# KiCad board PCB.kicad_pcb (continued)
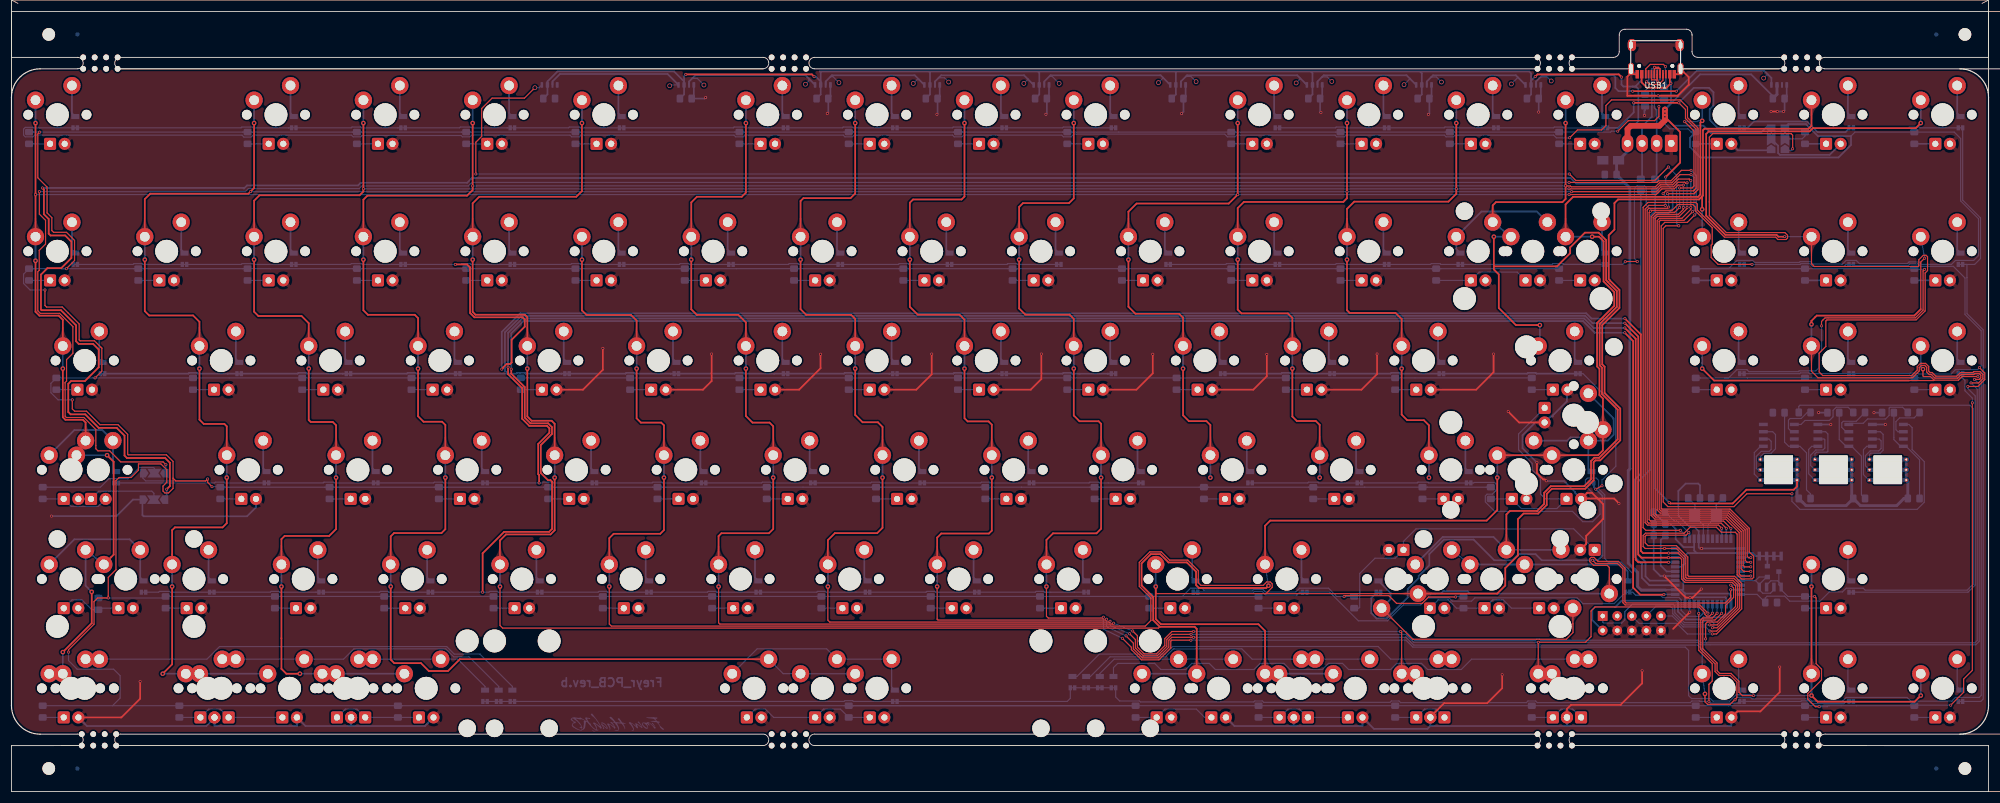
[diagram p0: board, top side]
## Routing (per net, layer and track width the routed paths; a pad name or vN(x,y) marks a point on that pad's centre or on a via; arc(x,y) is an arc through that point) (continued)
Net-(D180-Pad1): length 3.7
  Bottom w0.2: D180.1 R67.1
Net-(D181-Pad1): length 3.7
  Bottom w0.2: D181.1 R68.1
Net-(D182-Pad1): length 3.7
  Bottom w0.2: D182.1 R69.1
Net-(D183-Pad1): length 3.7
  Bottom w0.2: D183.1 R70.1
Net-(D184-Pad1): length 3.7
  Bottom w0.2: D184.1 R71.1
Net-(D185-Pad1): length 9.8
  Bottom w0.2: R72.1 D185.1 246.3,14.37 248.33,14.37 D186.2
Net-(D187-Pad1): length 3.7
  Bottom w0.3: D187.1 R73.1
Net-(D188-Pad1): length 3.7
  Bottom w0.3: R74.1 D188.1
Net-(D189-Pad1): length 3.7
  Bottom w0.2: R75.1 D189.1
Net-(D190-Pad1): length 3.7
  Bottom w0.2: D190.1 R76.1
Net-(D191-Pad1): length 3.7
  Bottom w0.2: D191.1 R77.1
Net-(D192-Pad1): length 3.7
  Bottom w0.2: R78.1 D192.1
Net-(D193-Pad1): length 3.7
  Bottom w0.2: D193.1 R79.1
Net-(D194-Pad1): length 9.8
  Bottom w0.2: D195.2 272.14,14.37 270.12,14.37 D194.1 R80.1
Net-(D196-Pad1): length 3.7
  Bottom w0.3: R81.1 D196.1
Net-(D197-Pad1): length 3.7
  Bottom w0.2: D197.1 R82.1
Net-(D198-Pad1): length 3.7
  Bottom w0.2: D198.1 R83.1
Net-(D199-Pad1): length 3.7
  Bottom w0.2: D199.1 R84.1
Net-(D200-Pad1): length 3.7
  Bottom w0.2: D200.1 R85.1
Net-(D201-Pad1): length 3.7
  Bottom w0.2: D201.1 R86.1
Net-(D202-Pad1): length 3.7
  Bottom w0.2: D202.1 R87.1
Net-(D203-Pad1): length 3.7
  Bottom w0.2: D203.1 R88.1
Net-(D204-Pad1): length 3.7
  Bottom w0.2: D204.1 R89.1
Net-(D205-Pad1): length 3.7
  Bottom w0.2: D205.1 R90.1
Net-(D206-Pad1): length 3.7
  Bottom w0.2: D206.1 R91.1
Net-(D207-Pad1): length 3.7
  Bottom w0.2: R92.1 D207.1
Net-(D208-Pad1): length 3.7
  Bottom w0.2: D208.1 R93.1
Net-(D209-Pad1): length 3.7
  Bottom w0.2: D209.1 R94.1
Net-(D210-Pad1): length 3.7
  Bottom w0.2: D210.1 R95.1
Net-(D211-Pad1): length 3.7
  Bottom w0.2: D211.1 R96.1
Net-(D212-Pad1): length 3.7
  Bottom w0.2: D212.1 R97.1
Net-(D213-Pad1): length 3.7
  Bottom w0.2: D213.1 R98.1
Net-(D222-Pad1): length 25.5
  Bottom w0.2: D223.3 114.87,123.21 v3(114.73,123.06)
  Bottom w0.3: D223.3 114.36,125.11 95.6,125.11 94.3,123.81 D222.1
Net-(D223-Pad1): length 27.4
  Bottom w0.2: v3(138.39,123.32) 139,123.94 139,124.28 ; 118.65,124.35 119.54,124.35 v3(120.7,123.19)
  Bottom w0.3: D224.3 138.39,124.89 119.2,124.89 118.11,123.81 D223.1
Net-(D224-Pad1): length 22.1
  Bottom w0.2: 158.22,124.12 157.84,124.12 v3(157.19,123.46) ; v3(144.23,123.61) 143.19,124.65 142.77,124.65
  Bottom w0.3: D224.1 141.92,123.81 143.01,124.89 157.44,124.89 D225.3
Net-(D225-Pad1): length 22
  Bottom w0.2: v3(163.36,123.71) 162.61,124.46 161.62,124.46 ; 177.17,124.21 177.17,124.17 v3(176.46,123.46)
  Bottom w0.3: D226.3 176.49,124.89 162.06,124.89 160.97,123.81 D225.1
Net-(D226-Pad1): length 27.1
  Bottom w0.2: v3(199.92,123.61) 200.74,124.43 200.74,124.45 ; v3(182.61,123.47) 181.38,124.71 180.93,124.71
  Bottom w0.3: D226.1 180.02,123.81 181.11,124.89 200.3,124.89 D227.3
Net-(D227-Pad1): length 27
  Bottom w0.2: v3(206.49,123.78) 205.58,124.68 204.71,124.68 ; 224.67,124.33 224.67,124.3 v3(223.93,123.55)
  Bottom w0.3: D227.1 203.84,123.81 204.92,124.89 224.11,124.89 D228.3
Net-(D228-Pad1): length 22.5
  Bottom w0.2: v3(230.14,123.81) 229.35,124.6 228.44,124.6 ; v3(242.73,123.25) 243.74,124.26 243.74,124.32
  Bottom w0.3: D229.3 243.16,124.89 228.73,124.89 227.65,123.81 D228.1
Net-(D229-Pad1): length 22.7
  Bottom w0.2: 262.53,124.58 262.53,124.47 v3(261.44,123.37) ; 247.48,124.59 248.37,124.59 v3(249.25,123.71)
  Bottom w0.3: D229.1 246.7,123.81 247.78,124.89 262.21,124.89 D230.3
Net-(D230-Pad1): length 50.7
  Top w0.3: v1(290.19,122.12) 282.59,122.12 v1(282.59,122.12)
  Bottom w0.2: 266.56,124.62 267.66,124.62 v3(268.38,123.89) ; 306.18,125 306.03,125 v3(305.42,124.39)
  Bottom w0.3: v1(282.59,122.12) 280.12,122.12 279.56,122.67 279.56,124.58 279.25,124.89 266.83,124.89 265.75,123.81 D230.1 ; v1(290.19,122.12) 293.74,125.67 305.52,125.67 306.76,124.43 D231.3
Net-(D232-Pad1): length 7.3
  Bottom w0.2: U2.1 304.89,60.19 303.79,59.09 303.79,55.35 D232.1
Net-(D232-Pad2): length 8.9
  Bottom w0.2: U2.2 306.33,61.46 306.73,61.06 306.73,59.65 306.39,59.31 305,59.31 304.14,58.45 304.14,56.37 304.41,56.1 D232.2
Net-(D232-Pad3): length 8.5
  Bottom w0.2: D232.3 304.84,58.36 305.43,58.95 306.68,58.95 307.48,59.76 307.48,62.24 306.99,62.73 U2.3
Net-(D233-Pad1): length 7.6
  Bottom w0.2: D233.1 313.26,55.4 313.26,59.64 313.81,60.19 U3.1
Net-(D233-Pad2): length 8.6
  Bottom w0.2: U3.2 315.94,61.46 316.08,61.33 316.08,59.89 315.75,59.56 314.52,59.56 313.61,58.65 313.61,56.85 D233.2
Net-(D233-Pad3): length 8.4
  Bottom w0.2: D233.3 314.36,58.91 314.63,59.17 316.45,59.17 316.61,59.33 316.61,62.34 316.22,62.73 U3.3
Net-(D234-Pad1): length 7.8
  Bottom w0.2: U4.1 323.39,60.19 322.81,59.62 322.81,55.25 323.76,54.3 D234.1
Net-(D234-Pad2): length 9
  Bottom w0.2: U4.2 325.56,61.46 325.89,61.13 325.89,59.81 325.47,59.39 323.99,59.39 323.16,58.57 323.16,56.8 D234.2
Net-(D234-Pad3): length 8.4
  Bottom w0.2: U4.3 325.78,62.73 326.24,62.28 326.24,59.51 325.74,59.01 324.1,59.01 323.86,58.78 D234.3
Net-(JP2-Pad2): length 21.8
  Bottom w0.2: R10.2 15.51,53.07 16.99,54.55 20.31,54.55 22.26,56.5 24.75,56.5 24.9,56.35 JP2.2
Net-(JP2-Pad3): length 2250.3
  Top w0.2: v1(341.79,67.78) 341.79,21.12 340.27,19.6 340.27,17.31 v1(338.02,15.06) ; v1(9.57,91.16) 10.99,92.59 10.99,96.1 9.59,97.5 7.35,97.5 7.04,97.81 7.04,100.05 6.2,100.89 6.2,105.4 4.59,107.02 4.59,114.64 v1(4.92,114.98) ; 28.16,54.63 28.64,54.16 33.85,54.16 v1(34.19,54.5) 34.19,53.91 v1(34.95,53.16) ; 28.16,54.63 28.16,52.85 27.37,52.06 26.75,52.06 26.41,52.4 26.41,53.25 27.06,53.91 27.06,56.1 26.04,57.13 22.13,57.13 22.13,56.03 20.86,54.75 18.75,54.75 18.21,54.21 18.21,38.68 16.87,37.34 v1(16.87,33.76) 15.01,33.76 14.39,33.13 14.39,29.18 9.94,24.73 v1(9.94,24.31) ; 28.16,54.63 28.16,57.55 27.01,58.71 20.35,58.71 20.25,58.8 20.25,62.27 18.57,63.96 15.44,63.96 13.08,66.31 11,66.31 10.6,66.71 v1(10.6,68.3) ; v1(14.57,72.12) 15.76,73.3 15.76,77.3 ; v1(5.84,87.46) 5.84,84.75 6.11,84.48 8.85,84.48 11.8,81.52 11.8,78.74 11.95,78.59 14.47,78.59 15.58,77.47 ; v1(232.27,33.98) 232.46,34.16 240.08,34.16 241.43,32.81 245.9,32.81 247.01,33.92 v1(251.71,33.92) ; v1(279.98,115.14) 281.82,116.98 286.42,116.98 287.16,117.72 v1(287.16,119.42) ; 15.76,77.3 15.58,77.47 ; 15.76,77.3 15.58,77.47 ; v1(314.3,34.01) 314.56,33.74 314.56,22.29 315.5,21.35 315.5,19.45 313.1,17.05 313.1,16.12 314.43,14.79 v1(315.1,14.79) ; v1(333.46,91.05) 333.2,90.79 333.2,83.94 331.85,82.59 316.12,82.59 315.5,81.97 v1(315.5,81.18)
  Bottom w0.2: 4.77,114.98 40.36,114.98 40.36,114.98 R17.2 41.96,114.98 41.97,114.98 59.41,114.98 59.41,114.98 R27.2 61.01,114.98 61.02,114.98 78.46,114.98 78.46,114.98 R37.2 80.06,114.98 80.07,114.98 97.51,114.98 97.51,114.98 R47.2 99.11,114.98 99.12,114.98 126.08,114.98 126.09,114.98 R67.2 127.69,114.98 127.69,114.98 145.13,114.98 145.14,114.98 R75.2 146.74,114.98 146.74,114.98 164.18,114.98 164.19,114.98 R83.2 165.79,114.98 165.79,114.98 183.23,114.98 183.24,114.98 R91.2 184.84,114.98 184.84,114.98 193.01,114.98 193.01,114.98 R13.2 213.41,114.98 213.42,114.98 230.86,114.98 230.86,114.98 R23.2 232.46,114.98 232.47,114.98 249.91,114.98 249.91,114.98 R33.2 251.51,114.98 251.52,114.98 268.96,114.98 268.96,114.98 R43.2 278.74,114.98 278.9,115.14 v1(279.98,115.14) ; 4.77,114.98 3.87,114.98 3.86,114.98 R7.2 ; 4.77,114.98 v1(4.92,114.98) ; v1(338.02,15.06) 331.76,15.06 R97.2 321.6,14.97 321.59,14.96 318.93,14.96 318.93,14.97 316.9,14.97 ; 232.67,34.02 232.63,33.98 v1(232.27,33.98) ; 232.67,34.02 231.01,34.02 229.57,35.45 224.53,35.45 223.88,34.81 218.57,34.81 218.13,35.24 216.51,35.24 216.37,35.11 207.84,35.11 207.49,35.45 205.52,35.45 204.09,34.02 ; 232.67,34.02 R65.2 ; 298.6,72.11 299.3,72.11 300.74,73.55 302.5,73.55 302.85,73.21 311.46,73.21 311.6,73.35 314.49,73.35 315.03,73.89 315.03,76.38 315.5,76.85 v1(315.5,81.18) ; 298.6,72.11 294.38,72.11 294.37,72.12 R90.2 ; 298.6,72.11 302.54,72.11 302.55,72.12 R82.2 318.93,72.12 318.93,72.11 330.87,72.11 330.87,72.12 R89.2 340.07,72.12 340.5,71.68 340.5,69.89 341.79,68.6 v1(341.79,67.78) ; 14.21,72.12 R9.2 6.87,71.17 6.87,69.54 8.12,68.3 v1(10.6,68.3) ; 14.21,72.12 v1(14.57,72.12) ; 14.21,72.12 R19.2 R29.2 70.26,72.12 R39.2 R49.2 R59.2 R69.2 R77.2 R85.2 R93.2 R15.2 R25.2 R35.2 R45.2 ; 17.61,14.97 18.94,16.3 18.94,20.19 17.81,21.33 11.45,21.33 9.94,22.84 v1(9.94,24.31) ; 17.61,14.97 R12.2 ; 17.61,14.97 R22.2 R32.2 68.16,14.97 68.16,14.96 145.13,14.96 145.14,14.97 R42.2 146.74,14.97 146.74,14.96 ; 9.55,91.16 v1(9.57,91.16) 8.71,91.16 ; 9.55,91.16 21.31,91.16 21.31,91.17 R18.2 22.91,91.17 22.92,91.16 40.36,91.16 40.36,91.17 R28.2 45.12,91.17 45.12,91.16 59.41,91.16 59.41,91.17 R38.2 61.01,91.17 61.02,91.16 78.46,91.16 78.46,91.17 R48.2 80.06,91.17 80.07,91.16 97.51,91.16 97.51,91.17 R58.2 99.11,91.17 99.12,91.16 116.56,91.16 116.56,91.17 R68.2 118.16,91.17 118.17,91.16 126.33,91.16 126.34,91.17 R76.2 136.42,91.16 154.66,91.16 154.66,91.17 R84.2 156.26,91.17 156.27,91.16 173.71,91.16 173.71,91.17 R92.2 175.31,91.17 175.32,91.16 192.76,91.16 192.76,91.17 R14.2 194.36,91.17 194.37,91.16 211.81,91.16 211.81,91.17 R24.2 213.41,91.17 213.42,91.16 230.86,91.16 230.86,91.17 R34.2 232.46,91.17 232.47,91.16 247.52,91.16 247.53,91.17 R44.2 249.13,91.17 249.14,91.16 268.96,91.16 268.96,91.17 R54.2 ; 9.55,91.16 8.71,91.16 ; 8.71,91.16 3.87,91.16 3.86,91.17 R8.2 2.11,90.22 2.11,88.59 3.24,87.46 v1(5.84,87.46) ; 204.09,34.02 R66.2 ; 204.09,34.02 204.19,34.02 ; R56.2 R66.2 ; R66.2 197.52,34.02 197.52,34.01 185.58,34.01 185.58,34.02 R95.2 178.47,34.02 178.47,34.01 161.03,34.01 161.02,34.02 R87.2 159.42,34.02 159.42,34.01 141.98,34.01 141.97,34.02 R79.2 140.37,34.02 140.37,34.01 122.93,34.01 122.92,34.02 R71.2 121.32,34.02 121.32,34.01 103.88,34.01 103.87,34.02 R61.2 102.27,34.02 102.27,34.01 84.83,34.01 84.82,34.02 R51.2 83.22,34.02 83.22,34.01 65.78,34.01 65.77,34.02 R41.2 64.17,34.02 64.17,34.01 46.73,34.01 46.72,34.02 R31.2 45.12,34.02 45.12,34.01 27.68,34.01 27.67,34.02 R21.2 26.6,33.74 R11.2 ; v1(287.16,119.42) 287.16,119.42 287.16,117.41 289.02,115.55 292.21,115.55 292.77,114.98 R53.2 ; Q2.1 308.47,35.17 309.62,34.02 R98.2 314.29,34.02 v1(314.3,34.01) ; Q2.1 308.06,36.05 Q1.3 ; Q2.1 308.47,36.12 307.85,36.74 306.67,36.74 305.93,35.99 Q2.3 ; 316.9,14.97 316.67,14.97 316.49,14.79 v1(315.1,14.79) ; 316.9,14.97 R96.2 R88.2 R80.2 R72.2 154.91,14.97 154.91,14.96 146.74,14.96 ; R52.2 195.14,14.97 195.14,14.96 146.74,14.96 ; JP2.3 22.9,54.65 23.4,54.16 33.85,54.16 v1(34.19,54.5) ; 320.64,114.28 321.34,114.98 R73.2 338.63,114.98 339.75,113.86 339.75,102.98 342.86,99.87 342.86,93.44 342.02,92.6 338.84,92.6 338.16,91.92 332.9,91.92 332.48,92.34 330.77,92.34 330.47,92.04 322.11,92.04 321.55,92.6 319.79,92.6 319.14,91.96 314.03,91.96 313.6,92.39 311.78,92.39 311.64,92.26 303.84,92.26 303.49,92.6 300.74,92.6 299.31,91.17 R64.2 294.37,91.17 294.38,91.16 311.82,91.16 311.82,91.17 R74.2 313.42,91.17 313.43,91.16 330.87,91.16 330.87,91.17 R81.2 331.8,91.05 v1(333.46,91.05) ; R55.2 257.06,53.07 257.05,53.06 246.76,53.06 246.75,53.07 R36.2 235.87,53.07 235.87,53.06 227.71,53.06 227.7,53.07 R26.2 226.1,53.07 226.09,53.06 208.66,53.06 208.65,53.07 R16.2 207.05,53.07 207.04,53.06 189.61,53.06 189.6,53.07 R94.2 188,53.07 187.99,53.06 176.06,53.06 176.05,53.07 R86.2 168.95,53.07 168.94,53.06 151.51,53.06 151.5,53.07 R78.2 149.9,53.07 149.89,53.06 137.96,53.06 137.95,53.07 R70.2 130.85,53.07 130.84,53.06 113.41,53.06 113.4,53.07 R60.2 111.8,53.07 111.79,53.06 94.36,53.06 94.35,53.07 R50.2 92.75,53.07 92.74,53.06 75.31,53.06 75.3,53.07 R40.2 73.7,53.07 73.69,53.06 56.26,53.06 56.25,53.07 R30.2 54.65,53.07 54.64,53.06 37.21,53.06 37.2,53.07 R20.2 36.31,53.16 v1(34.95,53.16) ; R46.2 251.81,34.02 v1(251.71,33.92)
  Bottom w0.3: JP4.3 309.69,116.38 312.78,116.38 314.88,114.28 320.64,114.28 320.64,112.74 318.45,110.56 294.4,110.56 292.57,112.38 292.57,113.98 R53.2
Net-(JP4-Pad2): length 4.4
  Bottom w0.2: R63.2 312.62,114.31 312.12,113.81 JP4.2
Net-(R2-Pad2): length 8.7
  Top w0.2: v1(288.3,126.42) 287.93,126.78 285.65,126.78 284.86,125.99 USB1.10
  Bottom w0.2: 288.01,122.74 288.36,123.09 USB1#2.10 288.3,125.13 v1(288.3,126.42)
Net-(R3-Pad2): length 9.6
  Top w0.2: USB1.4 287.86,124.03 287.13,123.3 285.49,123.3 v1(285.01,123.78)
  Bottom w0.2: v1(285.01,123.78) 285.36,124.12 USB1#2.4 285.36,122.81 284.74,122.2 R3.2
Net-(R4-Pad1): length 74.9
  Bottom w0.3: U1.3 285.47,35.98 284.19,37.26 284.19,39.68 282.86,41 282.86,54.34 284,55.48 R4.1
Net-(R5-Pad1): length 74.5
  Bottom w0.3: R5.1 286.5,101.22 285.59,100.31 285.59,56.08 283.52,54.02 283.52,41.35 284.82,40.05 284.82,37.52 285.56,36.78 U1.4
Net-(R103-Pad2): length 7.1
  Bottom w0.2: R103.2 313.02,66.1 311.97,65.05 310.03,65.05 309.74,64.75 309.74,63.28 310.29,62.73 U2.6
Net-(R104-Pad1): length 12.6
  Bottom w0.2: R104.1 320.13,67.01 318.05,67.01 317.51,66.46 317.51,65.34 316.88,64.7 312.63,64.7 311.93,64 U2.5
Net-(R104-Pad2): length 7.2
  Bottom w0.2: U3.6 319.79,62.73 319.03,63.49 319.03,64.3 319.29,64.55 321.54,64.55 R104.2
Net-(R105-Pad1): length 12.7
  Bottom w0.2: U3.5 320.26,64.05 320.42,64.2 322.77,64.2 323.52,64.96 326.66,64.96 327.29,65.59 327.29,66.85 327.45,67.01 329.63,67.01 R105.1
Net-(R105-Pad2): length 7.6
  Bottom w0.2: R105.2 331.64,65.15 329.11,65.15 328.47,64.51 328.47,63.08 328.82,62.73 U4.6

## Copper pours and planes (outline as drawn; the poured copper is in the pictures)
GND on Top: 275.83,51.24 275.65,51.23 275.48,51.24 275.31,51.26 275.15,51.29 275,51.33 274.85,51.39 274.71,51.46 274.58,51.55 274.46,51.64 274.34,51.75 273.06,51.02 274.34,50.28 274.46,50.4 274.58,50.5 274.71,50.59 274.85,50.67 275,50.74 275.15,50.8 275.31,50.85 275.48,50.89 275.65,50.92 275.83,50.94
GND on Top: 13.82,13.07 13.66,13.08 13.49,13.09 13.34,13.12 13.19,13.16 13.04,13.22 12.9,13.28 12.77,13.36 12.64,13.44 12.52,13.54 12.4,13.65 11.13,12.92 12.4,12.18 12.52,12.3 12.64,12.4 12.77,12.48 12.9,12.56 13.04,12.62 13.19,12.68 13.34,12.72 13.49,12.75 13.66,12.76 13.82,12.77
GND on Top: 248.75,14.65 248.62,14.52 248.5,14.4 248.37,14.3 248.23,14.21 248.09,14.14 247.95,14.08 247.8,14.03 247.64,13.99 247.49,13.98 247.33,13.97 246.94,12.55 248.36,12.93 248.37,13.09 248.39,13.25 248.41,13.41 248.46,13.57 248.51,13.72 248.57,13.87 248.65,14.01 248.74,14.16 248.84,14.3 248.96,14.44
GND on Top: 248.75,14.65 248.62,14.52 248.5,14.4 248.37,14.3 248.23,14.21 248.09,14.14 247.95,14.08 247.8,14.03 247.64,13.99 247.49,13.98 247.33,13.97 246.94,12.55 248.36,12.93 248.37,13.09 248.39,13.25 248.41,13.41 248.46,13.57 248.51,13.72 248.57,13.87 248.65,14.01 248.74,14.16 248.84,14.3 248.96,14.44
GND on Top: 249.57,70.22 249.4,70.23 249.24,70.24 249.08,70.27 248.93,70.31 248.79,70.37 248.65,70.43 248.51,70.51 248.38,70.59 248.26,70.69 248.14,70.8 246.87,70.07 248.14,69.33 248.26,69.45 248.38,69.55 248.51,69.63 248.65,69.71 248.79,69.77 248.93,69.83 249.08,69.87 249.24,69.9 249.4,69.91 249.57,69.92
GND on Top: 230.52,70.22 230.35,70.23 230.19,70.24 230.03,70.27 229.88,70.31 229.74,70.37 229.6,70.43 229.46,70.51 229.33,70.59 229.21,70.69 229.09,70.8 227.82,70.07 229.09,69.33 229.21,69.45 229.33,69.55 229.46,69.63 229.6,69.71 229.74,69.77 229.88,69.83 230.03,69.87 230.19,69.9 230.35,69.91 230.52,69.92
GND on Top: 211.47,70.22 211.3,70.23 211.14,70.24 210.98,70.27 210.83,70.31 210.69,70.37 210.55,70.43 210.41,70.51 210.28,70.59 210.16,70.69 210.04,70.8 208.77,70.07 210.04,69.33 210.16,69.45 210.28,69.55 210.41,69.63 210.55,69.71 210.69,69.77 210.83,69.83 210.98,69.87 211.14,69.9 211.3,69.91 211.47,69.92
GND on Top: 192.42,70.22 192.25,70.23 192.09,70.24 191.93,70.27 191.78,70.31 191.64,70.37 191.5,70.43 191.36,70.51 191.23,70.59 191.11,70.69 190.99,70.8 189.72,70.07 190.99,69.33 191.11,69.45 191.23,69.55 191.36,69.63 191.5,69.71 191.64,69.77 191.78,69.83 191.93,69.87 192.09,69.9 192.25,69.91 192.42,69.92
GND on Top: 173.37,70.22 173.2,70.23 173.04,70.24 172.88,70.27 172.73,70.31 172.59,70.37 172.45,70.43 172.31,70.51 172.18,70.59 172.06,70.69 171.94,70.8 170.67,70.07 171.94,69.33 172.06,69.45 172.18,69.55 172.31,69.63 172.45,69.71 172.59,69.77 172.73,69.83 172.88,69.87 173.04,69.9 173.2,69.91 173.37,69.92
GND on Top: 154.32,70.22 154.15,70.23 153.99,70.24 153.83,70.27 153.68,70.31 153.54,70.37 153.4,70.43 153.26,70.51 153.13,70.59 153.01,70.69 152.89,70.8 151.62,70.07 152.89,69.33 153.01,69.45 153.13,69.55 153.26,69.63 153.4,69.71 153.54,69.77 153.68,69.83 153.83,69.87 153.99,69.9 154.15,69.91 154.32,69.92
GND on Top: 135.27,70.22 135.1,70.23 134.94,70.24 134.78,70.27 134.63,70.31 134.49,70.37 134.35,70.43 134.21,70.51 134.08,70.59 133.96,70.69 133.84,70.8 132.57,70.07 133.84,69.33 133.96,69.45 134.08,69.55 134.21,69.63 134.35,69.71 134.49,69.77 134.63,69.83 134.78,69.87 134.94,69.9 135.1,69.91 135.27,69.92
GND on Top: 116.22,70.22 116.05,70.23 115.89,70.24 115.73,70.27 115.58,70.31 115.44,70.37 115.3,70.43 115.16,70.51 115.03,70.59 114.91,70.69 114.79,70.8 113.52,70.07 114.79,69.33 114.91,69.45 115.03,69.55 115.16,69.63 115.3,69.71 115.44,69.77 115.58,69.83 115.73,69.87 115.89,69.9 116.05,69.91 116.22,69.92
GND on Top: 97.17,70.22 97,70.23 96.84,70.24 96.68,70.27 96.53,70.31 96.39,70.37 96.25,70.43 96.11,70.51 95.98,70.59 95.86,70.69 95.74,70.8 94.47,70.07 95.74,69.33 95.86,69.45 95.98,69.55 96.11,69.63 96.25,69.71 96.39,69.77 96.53,69.83 96.68,69.87 96.84,69.9 97,69.91 97.17,69.92
GND on Top: 300.73,14.08 300.7,14.05 300.65,14.04 300.59,14.02 300.52,14 300.44,13.99 300.33,13.98 300.22,13.98 300.09,13.97 299.95,13.97 299.79,13.97 299.41,12.55 300.83,12.93 300.83,13.09 300.83,13.23 300.84,13.36 300.84,13.47 300.85,13.57 300.87,13.66 300.88,13.73 300.9,13.79 300.92,13.83 300.94,13.86
GND on Top: 270.98,14.4 270.97,14.37 270.95,14.32 270.92,14.27 270.88,14.21 270.83,14.14 270.77,14.06 270.69,13.98 270.6,13.88 270.5,13.78 270.39,13.67 271.13,12.39 271.86,13.67 271.75,13.78 271.65,13.88 271.56,13.98 271.49,14.06 271.42,14.14 271.37,14.21 271.33,14.27 271.3,14.32 271.28,14.37 271.28,14.4
GND on Top: 270.98,14.4 270.97,14.37 270.95,14.32 270.92,14.27 270.88,14.21 270.83,14.14 270.77,14.06 270.69,13.98 270.6,13.88 270.5,13.78 270.39,13.67 271.13,12.39 271.86,13.67 271.75,13.78 271.65,13.88 271.56,13.98 271.49,14.06 271.42,14.14 271.37,14.21 271.33,14.27 271.3,14.32 271.28,14.37 271.28,14.4
GND on Top: 274.53,52.18 274.5,52.15 274.46,52.14 274.4,52.12 274.33,52.1 274.24,52.09 274.14,52.08 274.03,52.08 273.9,52.07 273.76,52.07 273.6,52.07 273.22,50.65 274.64,51.03 274.64,51.19 274.64,51.33 274.64,51.46 274.65,51.57 274.66,51.67 274.67,51.76 274.69,51.83 274.7,51.89 274.72,51.93 274.74,51.96
GND on Top: 274.37,43.29 274.34,43.26 274.3,43.25 274.24,43.23 274.17,43.21 274.08,43.2 273.98,43.19 273.87,43.19 273.74,43.18 273.6,43.18 273.44,43.18 273.06,41.76 274.48,42.14 274.48,42.3 274.48,42.44 274.49,42.57 274.49,42.68 274.5,42.78 274.51,42.87 274.53,42.94 274.54,43 274.56,43.04 274.59,43.07
GND on Top: 265.07,64.2 265.23,64.2 265.39,64.18 265.55,64.15 265.7,64.11 265.85,64.06 265.99,63.99 266.12,63.92 266.25,63.83 266.37,63.73 266.49,63.62 267.76,64.35 266.49,65.09 266.37,64.98 266.25,64.88 266.12,64.79 265.99,64.72 265.85,64.65 265.7,64.6 265.55,64.56 265.39,64.53 265.23,64.51 265.07,64.5
GND on Top: 0,13 0,15.01 0,121 0,123.5 1,125.01 2.5,126 4.61,126.01 283,126.01 283,132.01 291,132.01 291,126.01 339.5,126.01 342.11,126.01 343.61,125.01 344.61,123.51 344.61,13.01 343.61,11.01 341.61,10.01 340,10.01 5,10.01 2.5,10 1,11
GND on Bottom: 283.31,125.17 283.21,125.28 283.12,125.37 283.05,125.47 282.98,125.55 282.92,125.64 282.87,125.71 282.84,125.79 282.81,125.86 282.8,125.92 282.79,125.98 282.11,126.16 282.3,125.48 282.35,125.48 282.42,125.46 282.49,125.44 282.56,125.4 282.64,125.35 282.72,125.3 282.81,125.23 282.9,125.15 283,125.06 283.1,124.96
GND on Bottom: 283.31,125.17 283.21,125.28 283.12,125.37 283.05,125.47 282.98,125.55 282.92,125.64 282.87,125.71 282.84,125.79 282.81,125.86 282.8,125.92 282.79,125.98 282.11,126.16 282.3,125.48 282.35,125.48 282.42,125.46 282.49,125.44 282.56,125.4 282.64,125.35 282.72,125.3 282.81,125.23 282.9,125.15 283,125.06 283.1,124.96
GND on Bottom: 42.76,49.53 42.76,49.57 42.78,49.62 42.81,49.67 42.85,49.73 42.9,49.8 42.97,49.88 43.04,49.96 43.13,50.06 43.23,50.16 43.34,50.27 42.61,51.54 41.87,50.27 41.98,50.16 42.08,50.06 42.17,49.96 42.25,49.88 42.31,49.8 42.36,49.73 42.4,49.67 42.43,49.62 42.45,49.57 42.46,49.53
GND on Bottom: 271.28,11.43 271.28,11.47 271.3,11.52 271.33,11.57 271.37,11.63 271.42,11.7 271.49,11.78 271.56,11.86 271.65,11.96 271.75,12.06 271.86,12.17 271.13,13.44 270.39,12.17 270.5,12.06 270.6,11.96 270.69,11.86 270.77,11.78 270.83,11.7 270.88,11.63 270.92,11.57 270.95,11.52 270.97,11.47 270.98,11.43
GND on Bottom: 271.28,11.43 271.28,11.47 271.3,11.52 271.33,11.57 271.37,11.63 271.42,11.7 271.49,11.78 271.56,11.86 271.65,11.96 271.75,12.06 271.86,12.17 271.13,13.44 270.39,12.17 270.5,12.06 270.6,11.96 270.69,11.86 270.77,11.78 270.83,11.7 270.88,11.63 270.92,11.57 270.95,11.52 270.97,11.47 270.98,11.43
GND on Bottom: 299.93,11.43 299.94,11.47 299.96,11.52 299.98,11.57 300.03,11.63 300.08,11.7 300.14,11.78 300.22,11.86 300.31,11.96 300.41,12.06 300.52,12.17 299.78,13.44 299.05,12.17 299.16,12.06 299.26,11.96 299.35,11.86 299.42,11.78 299.49,11.7 299.54,11.63 299.58,11.57 299.61,11.52 299.63,11.47 299.63,11.43
GND on Bottom: 247.46,11.43 247.47,11.47 247.49,11.52 247.52,11.57 247.56,11.63 247.61,11.7 247.68,11.78 247.75,11.86 247.84,11.96 247.94,12.06 248.05,12.17 247.31,13.44 246.58,12.17 246.69,12.06 246.79,11.96 246.88,11.86 246.95,11.78 247.02,11.7 247.07,11.63 247.11,11.57 247.14,11.52 247.16,11.47 247.16,11.43
GND on Bottom: 247.46,11.43 247.47,11.47 247.49,11.52 247.52,11.57 247.56,11.63 247.61,11.7 247.68,11.78 247.75,11.86 247.84,11.96 247.94,12.06 248.05,12.17 247.31,13.44 246.58,12.17 246.69,12.06 246.79,11.96 246.88,11.86 246.95,11.78 247.02,11.7 247.07,11.63 247.11,11.57 247.14,11.52 247.16,11.47 247.16,11.43
GND on Bottom: 237.13,11.49 237.02,11.61 236.91,11.74 236.82,11.87 236.75,12.01 236.68,12.14 236.63,12.29 236.59,12.44 236.56,12.59 236.54,12.75 236.54,12.91 235.12,13.29 235.5,11.87 235.66,11.87 235.82,11.85 235.97,11.82 236.12,11.78 236.26,11.73 236.4,11.66 236.54,11.58 236.67,11.49 236.8,11.39 236.92,11.28
GND on Bottom: 223.65,11.43 223.66,11.47 223.68,11.52 223.7,11.57 223.75,11.63 223.8,11.7 223.86,11.78 223.94,11.86 224.03,11.96 224.13,12.06 224.24,12.17 223.5,13.44 222.77,12.17 222.88,12.06 222.98,11.96 223.07,11.86 223.14,11.78 223.21,11.7 223.26,11.63 223.3,11.57 223.33,11.52 223.35,11.47 223.35,11.43
GND on Bottom: 223.65,11.43 223.66,11.47 223.68,11.52 223.7,11.57 223.75,11.63 223.8,11.7 223.86,11.78 223.94,11.86 224.03,11.96 224.13,12.06 224.24,12.17 223.5,13.44 222.77,12.17 222.88,12.06 222.98,11.96 223.07,11.86 223.14,11.78 223.21,11.7 223.26,11.63 223.3,11.57 223.33,11.52 223.35,11.47 223.35,11.43
GND on Bottom: 235.64,11.43 235.64,11.47 235.66,11.52 235.69,11.57 235.73,11.63 235.78,11.7 235.85,11.78 235.92,11.86 236.01,11.96 236.11,12.06 236.22,12.17 235.49,13.44 234.75,12.17 234.86,12.06 234.96,11.96 235.05,11.86 235.13,11.78 235.19,11.7 235.24,11.63 235.29,11.57 235.31,11.52 235.33,11.47 235.34,11.43
GND on Bottom: 212.83,11.98 212.81,12.01 212.79,12.05 212.77,12.11 212.76,12.18 212.75,12.27 212.74,12.37 212.73,12.48 212.73,12.61 212.72,12.75 212.73,12.91 211.3,13.29 211.69,11.87 211.84,11.87 211.99,11.87 212.11,11.86 212.23,11.86 212.33,11.85 212.42,11.84 212.49,11.82 212.55,11.8 212.59,11.79 212.62,11.76
GND on Bottom: 59.35,11.43 59.35,11.47 59.37,11.52 59.4,11.57 59.44,11.63 59.49,11.7 59.56,11.78 59.63,11.86 59.72,11.96 59.82,12.06 59.93,12.17 59.2,13.44 58.46,12.17 58.57,12.06 58.67,11.96 58.76,11.86 58.84,11.78 58.9,11.7 58.95,11.63 58.99,11.57 59.02,11.52 59.04,11.47 59.05,11.43
GND on Bottom: 59.35,11.43 59.35,11.47 59.37,11.52 59.4,11.57 59.44,11.63 59.49,11.7 59.56,11.78 59.63,11.86 59.72,11.96 59.82,12.06 59.93,12.17 59.2,13.44 58.46,12.17 58.57,12.06 58.67,11.96 58.76,11.86 58.84,11.78 58.9,11.7 58.95,11.63 58.99,11.57 59.02,11.52 59.04,11.47 59.05,11.43
GND on Bottom: 72.62,11.76 72.65,11.79 72.69,11.8 72.75,11.82 72.82,11.84 72.91,11.85 73.01,11.86 73.12,11.86 73.25,11.87 73.4,11.87 73.55,11.87 73.93,13.29 72.51,12.91 72.51,12.75 72.51,12.61 72.51,12.48 72.5,12.37 72.49,12.27 72.48,12.18 72.46,12.11 72.45,12.05 72.43,12.01 72.41,11.98
GND on Bottom: 51.36,11.53 51.25,11.64 51.15,11.76 51.07,11.89 51,12.02 50.94,12.15 50.89,12.29 50.85,12.44 50.82,12.59 50.8,12.75 50.8,12.91 49.38,13.29 49.76,11.87 49.92,11.87 50.08,11.85 50.23,11.82 50.38,11.78 50.52,11.73 50.65,11.67 50.78,11.6 50.91,11.52 51.03,11.42 51.14,11.31
GND on Bottom: 35.53,11.43 35.54,11.47 35.56,11.52 35.59,11.57 35.63,11.63 35.68,11.7 35.74,11.78 35.82,11.86 35.91,11.96 36.01,12.06 36.12,12.17 35.38,13.44 34.65,12.17 34.76,12.06 34.86,11.96 34.95,11.86 35.02,11.78 35.09,11.7 35.14,11.63 35.18,11.57 35.21,11.52 35.23,11.47 35.23,11.43